# KiCad board mx-unsaver-main.kicad_pcb
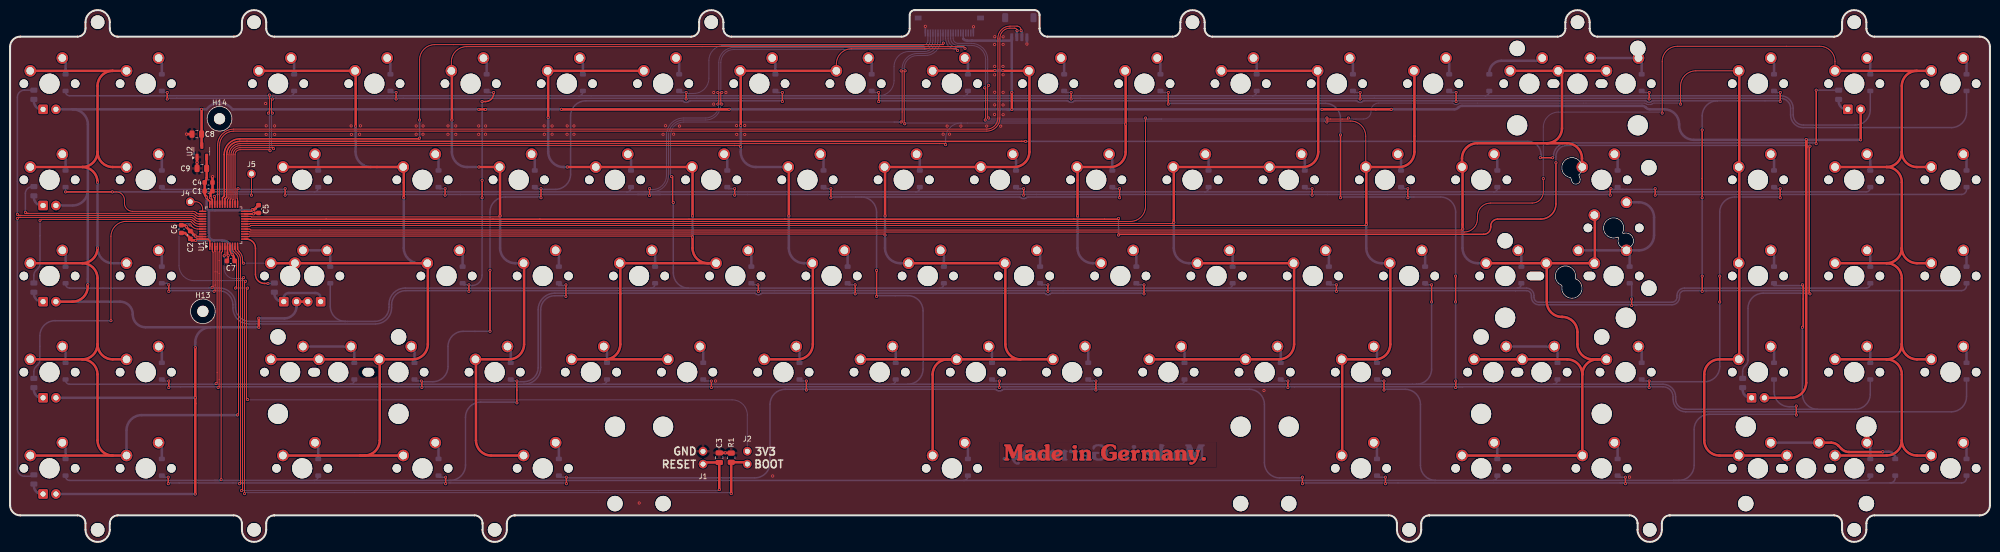
[diagram p0: board, top side]
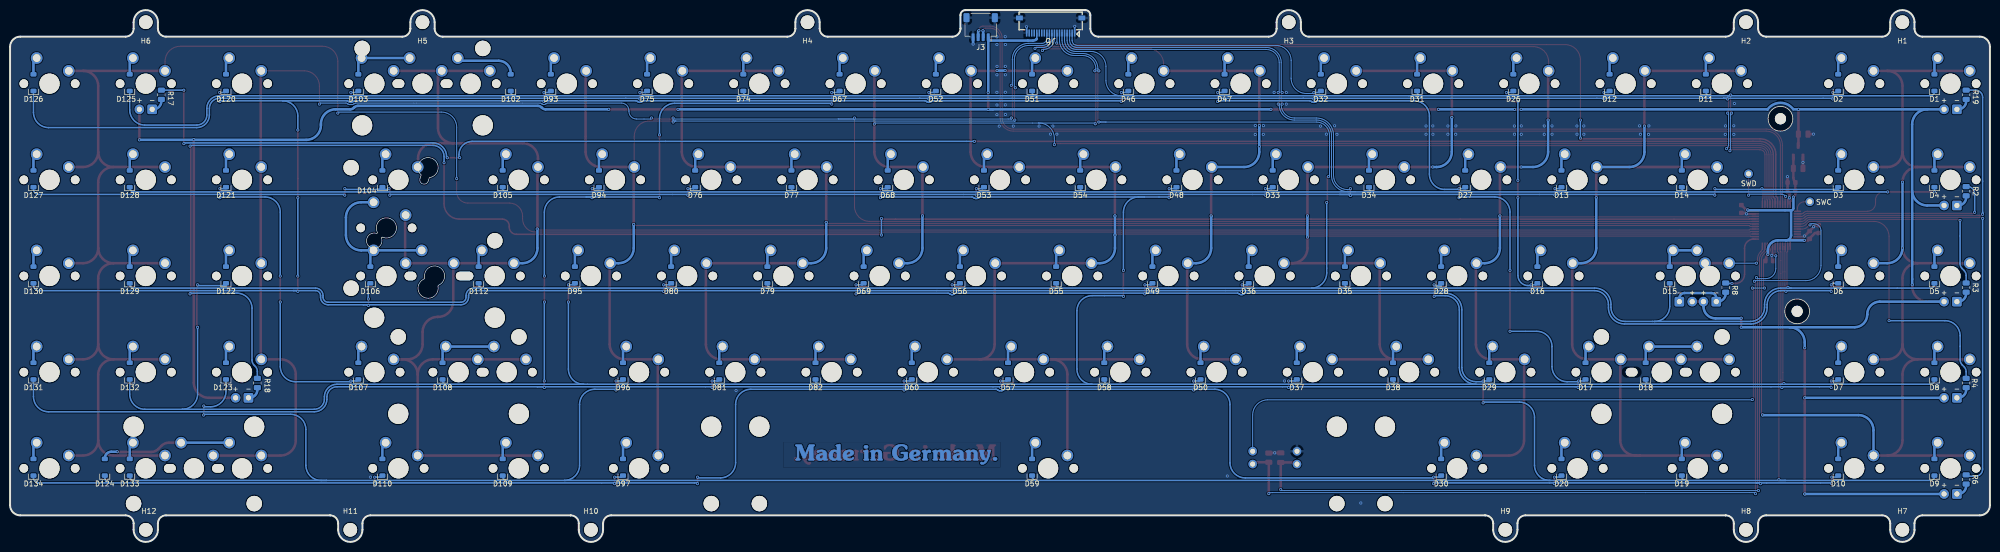
[diagram p1: board, bottom side, seen from below]

Outline 391.84 x 105.35 mm; copper layers: Top, Bottom. Coordinates in mm from the lower left corner of the outline.
Outline path: 0,98.08 0,7.27 arc(0.59,5.85) 2,5.27 13.32,5.27 arc(14.45,4.8) 14.93,3.68 14.93,2.4 arc(17.32,0) 19.73,2.4 19.73,3.67 arc(20.19,4.8) 21.33,5.27 44.28,5.27 arc(45.41,4.8) 45.88,3.68 45.88,2.4 arc(48.28,0) 50.68,2.4 50.68,3.67 arc(51.15,4.8) 52.28,5.27 52.28,5.27 91.91,5.27 arc(93.03,4.8) 93.51,3.68 93.51,2.4 arc(95.91,0) 98.31,2.4 98.31,3.67 arc(98.77,4.8) 99.91,5.27 99.91,5.27 272.88,5.27 arc(274.01,4.8) 274.48,3.68 274.48,2.4 arc(276.88,0) 279.28,2.4 279.28,3.67 arc(279.75,4.8) 280.88,5.27 280.88,5.27 320.51,5.27 arc(321.63,4.8) 322.11,3.68 322.11,2.4 arc(324.51,0) 326.91,2.4 326.91,3.67 arc(327.37,4.8) 328.51,5.27 328.51,5.27 360.99,5.27 arc(362.12,4.8) 362.59,3.67 362.59,2.4 arc(364.99,0) 367.39,2.4 367.39,3.67 arc(367.86,4.8) 369,5.27 389.84,5.27 arc(391.25,5.85) 391.84,7.27 391.84,98.08 arc(391.25,99.5) 389.84,100.08 368.99,100.08 arc(367.86,100.55) 367.39,101.67 367.39,102.95 arc(364.99,105.35) 362.59,102.95 362.59,101.68 arc(362.12,100.55) 360.99,100.08 314.22,100.08 arc(313.09,100.55) 312.62,101.68 312.62,102.93 arc(310.23,105.35) 307.82,102.95 307.82,101.68 arc(307.35,100.55) 306.22,100.08 238.02,100.08 arc(236.89,100.55) 236.42,101.68 236.42,102.93 arc(234.03,105.35) 231.62,102.95 231.62,101.68 arc(231.15,100.55) 230.02,100.08 205.34,100.08 arc(204.21,100.55) 203.74,101.68 203.74,104.34 arc(203.46,105.05) 202.74,105.35 179.04,105.35 179.04,105.35 arc(178.34,105.06) 178.04,104.35 178.04,101.68 arc(177.58,100.55) 176.45,100.08 142.77,100.08 arc(141.64,100.55) 141.17,101.68 141.17,102.93 arc(138.78,105.35) 136.37,102.95 136.37,101.68 arc(135.9,100.55) 134.77,100.08 52.28,100.08 arc(51.15,100.55) 50.68,101.68 50.68,102.95 arc(48.28,105.35) 45.88,102.95 45.88,101.68 arc(45.41,100.55) 44.29,100.08 21.33,100.08 arc(20.2,100.55) 19.73,101.67 19.73,102.95 arc(17.32,105.35) 14.93,102.95 14.93,101.68 arc(14.46,100.55) 13.33,100.08 2,100.08 arc(0.59,99.5) 0,98.08
Stack: Top 0.035mm / dielectric 1.51mm FR4 er 4.5 / Bottom 0.035mm

## Placement (name value [footprint] x y rotation side)
C1  100n  [C_0603_1608Metric]  39.28 69.5 0 top
C2  100n  [C_0603_1608Metric]  35.67 60.8 90 top
C3  1u  [C_0805_2012Metric]  140.36 16.69 90 top
C4  4.7u  [C_0603_1608Metric]  39.28 71.2 0 top
C5  100n  [C_0603_1608Metric]  49.19 65.95 270 top
C6  4.7u  [C_0603_1608Metric]  33.9 61.97 90 top
C7  100n  [C_0603_1608Metric]  43.68 55.66 180 top
C8  1u  [C_0805_2012Metric]  36.95 80.79 180 top
C9  1u  [C_0805_2012Metric]  37.95 73.99 180 top
D1  D_Small  [D_SOD-123_ShiftedSilkscreen]  10.97 90.98 90 bottom
D2  D_Small  [D_SOD-123_ShiftedSilkscreen]  30.02 90.98 90 bottom
D3  D_Small  [D_SOD-123_ShiftedSilkscreen]  30.02 71.93 90 bottom
D4  D_Small  [D_SOD-123_ShiftedSilkscreen]  10.97 71.93 90 bottom
D5  D_Small  [D_SOD-123_ShiftedSilkscreen]  10.97 52.88 90 bottom
D6  D_Small  [D_SOD-123_ShiftedSilkscreen]  30.02 52.88 90 bottom
D7  D_Small  [D_SOD-123_ShiftedSilkscreen]  30.02 33.83 90 bottom
D8  D_Small  [D_SOD-123_ShiftedSilkscreen]  10.97 33.83 90 bottom
D9  D_Small  [D_SOD-123_ShiftedSilkscreen]  10.97 14.78 90 bottom
D10  D_Small  [D_SOD-123_ShiftedSilkscreen]  30.02 14.78 90 bottom
D11  D_Small  [D_SOD-123_ShiftedSilkscreen]  56.22 90.98 90 bottom
D12  D_Small  [D_SOD-123_ShiftedSilkscreen]  75.27 90.98 90 bottom
D13  D_Small  [D_SOD-123_ShiftedSilkscreen]  84.79 71.93 90 bottom
D14  D_Small  [D_SOD-123_ShiftedSilkscreen]  60.98 71.93 90 bottom
D15  D_Small  [D_SOD-123_ShiftedSilkscreen]  63.36 52.88 90 bottom
D16  D_Small  [D_SOD-123_ShiftedSilkscreen]  89.56 52.88 90 bottom
D17  D_Small  [D_SOD-123_ShiftedSilkscreen]  80.03 33.83 90 bottom
D18  D_Small  [D_SOD-123_ShiftedSilkscreen]  68.12 33.83 90 bottom
D19  D_Small  [D_SOD-123_ShiftedSilkscreen]  60.98 14.78 90 bottom
D20  D_Small  [D_SOD-123_ShiftedSilkscreen]  84.79 14.78 90 bottom
D26  D_Small  [D_SOD-123_ShiftedSilkscreen]  94.32 90.98 90 bottom
D27  D_Small  [D_SOD-123_ShiftedSilkscreen]  103.84 71.93 90 bottom
D28  D_Small  [D_SOD-123_ShiftedSilkscreen]  108.61 52.88 90 bottom
D29  D_Small  [D_SOD-123_ShiftedSilkscreen]  99.08 33.83 90 bottom
D30  D_Small  [D_SOD-123_ShiftedSilkscreen]  108.61 14.78 90 bottom
D31  D_Small  [D_SOD-123_ShiftedSilkscreen]  113.37 90.98 90 bottom
D32  D_Small  [D_SOD-123_ShiftedSilkscreen]  132.42 90.98 90 bottom
D33  D_Small  [D_SOD-123_ShiftedSilkscreen]  141.94 71.93 90 bottom
D34  D_Small  [D_SOD-123_ShiftedSilkscreen]  122.89 71.93 90 bottom
D35  D_Small  [D_SOD-123_ShiftedSilkscreen]  127.66 52.88 90 bottom
D36  D_Small  [D_SOD-123_ShiftedSilkscreen]  146.71 52.88 90 bottom
D37  D_Small  [D_SOD-123_ShiftedSilkscreen]  137.18 33.83 90 bottom
D38  D_Small  [D_SOD-123_ShiftedSilkscreen]  118.13 33.83 90 bottom
D46  D_Small  [D_SOD-123_ShiftedSilkscreen]  170.52 90.98 90 bottom
D47  D_Small  [D_SOD-123_ShiftedSilkscreen]  151.47 90.98 90 bottom
D48  D_Small  [D_SOD-123_ShiftedSilkscreen]  160.99 71.93 90 bottom
D49  D_Small  [D_SOD-123_ShiftedSilkscreen]  165.76 52.88 90 bottom
D50  D_Small  [D_SOD-123_ShiftedSilkscreen]  156.23 33.83 90 bottom
D51  D_Small  [D_SOD-123_ShiftedSilkscreen]  189.57 90.98 90 bottom
D52  D_Small  [D_SOD-123_ShiftedSilkscreen]  208.62 90.98 90 bottom
D53  D_Small  [D_SOD-123_ShiftedSilkscreen]  199.09 71.93 90 bottom
D54  D_Small  [D_SOD-123_ShiftedSilkscreen]  180.04 71.93 90 bottom
D55  D_Small  [D_SOD-123_ShiftedSilkscreen]  184.81 52.88 90 bottom
D56  D_Small  [D_SOD-123_ShiftedSilkscreen]  203.86 52.88 90 bottom
D57  D_Small  [D_SOD-123_ShiftedSilkscreen]  194.33 33.83 90 bottom
D58  D_Small  [D_SOD-123_ShiftedSilkscreen]  175.28 33.83 90 bottom
D59  D_Small  [D_SOD-123_ShiftedSilkscreen]  189.57 14.78 90 bottom
D60  D_Small  [D_SOD-123_ShiftedSilkscreen]  213.38 33.83 90 bottom
D67  D_Small  [D_SOD-123_ShiftedSilkscreen]  227.67 90.98 90 bottom
D68  D_Small  [D_SOD-123_ShiftedSilkscreen]  218.14 71.93 90 bottom
D69  D_Small  [D_SOD-123_ShiftedSilkscreen]  222.91 52.88 90 bottom
D71  LED_LAYER2  [LED_MX_3mm_Offset_Flipped]  7.8 71.73 180 bottom
D72  LED_LAYER3  [LED_MX_3mm_Offset_Flipped]  7.8 52.68 180 bottom
D73  LED_LAYER4  [LED_MX_3mm_Offset_Flipped]  7.8 33.63 180 bottom
D74  D_Small  [D_SOD-123_ShiftedSilkscreen]  246.72 90.98 90 bottom
D75  D_Small  [D_SOD-123_ShiftedSilkscreen]  265.77 90.98 90 bottom
D76  D_Small  [D_SOD-123_ShiftedSilkscreen]  256.24 71.93 90 bottom
D77  D_Small  [D_SOD-123_ShiftedSilkscreen]  237.19 71.93 90 bottom
D78  LED_CAPS2  [LED_MX_3mm_Offset_Flipped]  55.42 52.68 180 bottom
D79  D_Small  [D_SOD-123_ShiftedSilkscreen]  241.96 52.88 90 bottom
D80  D_Small  [D_SOD-123_ShiftedSilkscreen]  261.01 52.88 90 bottom
D81  D_Small  [D_SOD-123_ShiftedSilkscreen]  251.48 33.83 90 bottom
D82  D_Small  [D_SOD-123_ShiftedSilkscreen]  232.43 33.83 90 bottom
D86  LED_CAPS1  [LED_MX_3mm_Offset]  60.19 52.68 0 top
D87  LED_LAYER5  [LED_MX_3mm_Offset_Flipped]  7.8 14.58 180 bottom
D93  D_Small  [D_SOD-123_ShiftedSilkscreen]  284.82 90.98 90 bottom
D94  D_Small  [D_SOD-123_ShiftedSilkscreen]  275.29 71.93 90 bottom
D95  D_Small  [D_SOD-123_ShiftedSilkscreen]  280.06 52.88 90 bottom
D96  D_Small  [D_SOD-123_ShiftedSilkscreen]  270.53 33.83 90 bottom
D97  D_Small  [D_SOD-123_ShiftedSilkscreen]  270.53 14.78 90 bottom
D102  D_Small  [D_SOD-123_ShiftedSilkscreen]  292.76 90.98 90 bottom
D103  D_Small  [D_SOD-123_ShiftedSilkscreen]  322.92 90.98 90 bottom
D104  D_Small  [D_SOD-123_ShiftedSilkscreen]  318.16 71.93 90 bottom
D105  D_Small  [D_SOD-123_ShiftedSilkscreen]  294.34 71.93 90 bottom
D106  D_Small  [D_SOD-123_ShiftedSilkscreen]  320.54 52.88 90 bottom
D107  D_Small  [D_SOD-123_ShiftedSilkscreen]  322.92 33.83 90 bottom
D108  D_Small  [D_SOD-123_ShiftedSilkscreen]  306.25 33.83 90 bottom
D109  D_Small  [D_SOD-123_ShiftedSilkscreen]  294.34 14.78 90 bottom
D110  D_Small  [D_SOD-123_ShiftedSilkscreen]  318.16 14.78 90 bottom
D112  D_Small  [D_SOD-123_ShiftedSilkscreen]  299.11 52.88 90 bottom
D120  D_Small  [D_SOD-123_ShiftedSilkscreen]  349.11 90.98 90 bottom
D121  D_Small  [D_SOD-123_ShiftedSilkscreen]  349.11 71.93 90 bottom
D122  D_Small  [D_SOD-123_ShiftedSilkscreen]  349.11 52.88 90 bottom
D123  D_Small  [D_SOD-123_ShiftedSilkscreen]  349.11 33.83 90 bottom
D124  D_Small  [D_SOD-123_ShiftedSilkscreen]  373.1 14.78 90 bottom
D125  D_Small  [D_SOD-123_ShiftedSilkscreen]  368.16 90.98 90 bottom
D126  D_Small  [D_SOD-123_ShiftedSilkscreen]  387.21 90.98 90 bottom
D127  D_Small  [D_SOD-123_ShiftedSilkscreen]  387.21 71.93 90 bottom
D128  D_Small  [D_SOD-123_ShiftedSilkscreen]  368.16 71.93 90 bottom
D129  D_Small  [D_SOD-123_ShiftedSilkscreen]  368.16 52.88 90 bottom
D130  D_Small  [D_SOD-123_ShiftedSilkscreen]  387.21 52.88 90 bottom
D131  D_Small  [D_SOD-123_ShiftedSilkscreen]  387.21 33.83 90 bottom
D132  D_Small  [D_SOD-123_ShiftedSilkscreen]  368.16 33.83 90 bottom
D133  D_Small  [D_SOD-123_ShiftedSilkscreen]  368.16 14.78 90 bottom
D134  D_Small  [D_SOD-123_ShiftedSilkscreen]  387.21 14.78 90 bottom
D135  LED_NUM  [LED_MX_3mm_Offset_Flipped]  345.94 33.63 180 bottom
D136  LED_SCLK  [LED_MX_3mm_Offset_Flipped]  364.99 90.78 180 bottom
D137  LED_LAYER1  [LED_MX_3mm_Offset_Flipped]  7.8 90.78 180 bottom
G1  -  [MadeInGermany]  196.69 19.43 0 top
G2  -  [MadeInGermany]  236.47 19.43 180 bottom
H1  MountingHole  [MountingHole_2.7mm_M2.5]  17.32 102.95 0 bottom
H2  MountingHole  [MountingHole_2.7mm_M2.5]  48.28 102.95 0 bottom
H3  MountingHole  [MountingHole_2.7mm_M2.5]  138.77 102.95 0 bottom
H4  MountingHole  [MountingHole_2.7mm_M2.5]  234.02 102.95 0 bottom
H5  MountingHole  [MountingHole_2.7mm_M2.5]  310.22 102.95 0 bottom
H6  MountingHole  [MountingHole_2.7mm_M2.5]  364.99 102.95 0 bottom
H7  MountingHole  [MountingHole_2.7mm_M2.5]  17.32 2.4 180 bottom
H8  MountingHole  [MountingHole_2.7mm_M2.5]  48.28 2.4 180 bottom
H9  MountingHole  [MountingHole_2.7mm_M2.5]  95.91 2.4 180 bottom
H10  MountingHole  [MountingHole_2.7mm_M2.5]  276.88 2.4 180 bottom
H11  MountingHole  [MountingHole_2.7mm_M2.5]  324.51 2.4 180 bottom
H12  MountingHole  [MountingHole_2.7mm_M2.5]  364.99 2.4 180 bottom
H13  MountingHole  [MountingHole_2.2mm_M2_Standoff]  38.15 45.68 0 top
H14  MountingHole  [MountingHole_2.2mm_M2_Standoff]  41.45 83.83 0 top
H15  MountingHole  [HOLE_BackSpace_Slots]  310.22 90.78 0 top
H16  MountingHole  [HOLE_BackSpace_Slots]  355.46 14.58 0 top
H17  MountingHole  [HOLE_LShift_Slots]  64.95 33.63 0 top
H18  MountingHole  [HOLE_RShift_Slots]  303.07 33.63 0 top
H19  MountingHole  [HOLE_Enter_Slots]  307.84 52.68 0 top
J1  Conn_01x02  [PinHeader_1x02_P2.54mm_BOOT]  137.14 15.41 180 top
J2  Conn_01x02  [PinHeader_1x02_P2.54mm_BOOT]  145.91 17.96 0 top
J3  Conn_01x04_MountingPin  [JST_SH_SM04B-SRSS-TB_1x04-1MP_P1.00mm_Horizontal]  199.74 101.98 0 bottom
J4  Conn_01x01  [PinHeader_1x01_P2.54mm]  35.65 67.39 0 top
J5  Conn_01x01  [PinHeader_1x01_P2.54mm]  47.77 72.92 0 top
J6  Conn_01x20_MountingPin  [CONN-SMD_20P-P0.50_10051922-2010ELF]  185.89 102.45 0 bottom
MX1  MX_SW_solder  [SW_MX_1u_PCBMount]  7.8 90.78 0 top
MX2  MX_SW_solder  [SW_MX_1u_PCBMount]  26.85 90.78 0 top
MX3  MX_SW_solder  [SW_MX_1u_PCBMount]  26.85 71.73 0 top
MX4  MX_SW_solder  [SW_MX_1u_PCBMount]  7.8 71.73 0 top
MX5  MX_SW_solder  [SW_MX_1u_PCBMount]  7.8 52.68 0 top
MX6  MX_SW_solder  [SW_MX_1u_PCBMount]  26.85 52.68 0 top
MX7  MX_SW_solder  [SW_MX_1u_PCBMount]  26.85 33.63 0 top
MX8  MX_SW_solder  [SW_MX_1u_PCBMount]  7.8 33.63 0 top
MX9  MX_SW_solder  [SW_MX_1u_PCBMount]  7.8 14.58 0 top
MX10  MX_SW_solder  [SW_MX_1u_PCBMount]  26.85 14.58 0 top
MX11  MX_SW_solder  [SW_MX_1u_PCBMount]  53.04 90.78 0 top
MX12  MX_SW_solder  [SW_MX_1u_PCBMount]  72.09 90.78 0 top
MX13  MX_SW_solder  [SW_MX_1u_PCBMount]  81.62 71.73 0 top
MX14  MX_SW_solder  [SW_MX_1u_PCBMount]  57.81 71.73 0 top
MX15  MX_SW_solder  [SW_MX_1u_PCBMount_NoRight]  55.42 52.68 0 top
MX16  MX_SW_solder  [SW_MX_1u_PCBMount]  86.38 52.68 0 top
MX17  MX_SW_solder  [SW_MX_1u_PCBMount_NoLeft]  76.86 33.63 0 top
MX18  MX_SW_solder  [SW_MX_1u_PCBMount_NoRight]  55.42 33.63 0 top
MX19  MX_SW_solder  [SW_MX_1u_PCBMount]  57.81 14.58 0 top
MX20  MX_SW_solder  [SW_MX_1u_PCBMount]  81.62 14.58 0 top
MX26  MX_SW_solder  [SW_MX_1u_PCBMount]  91.14 90.78 0 top
MX27  MX_SW_solder  [SW_MX_1u_PCBMount]  100.67 71.73 0 top
MX28  MX_SW_solder  [SW_MX_1u_PCBMount]  105.43 52.68 0 top
MX29  MX_SW_solder  [SW_MX_1u_PCBMount]  95.91 33.63 0 top
MX30  MX_SW_solder  [SW_MX_1u_PCBMount]  105.43 14.58 0 top
MX31  MX_SW_solder  [SW_MX_1u_PCBMount]  110.19 90.78 0 top
MX32  MX_SW_solder  [SW_MX_1u_PCBMount]  129.24 90.78 0 top
MX33  MX_SW_solder  [SW_MX_1u_PCBMount]  138.77 71.73 0 top
MX34  MX_SW_solder  [SW_MX_1u_PCBMount]  119.72 71.73 0 top
MX35  MX_SW_solder  [SW_MX_1u_PCBMount]  124.48 52.68 0 top
MX36  MX_SW_solder  [SW_MX_1u_PCBMount]  143.53 52.68 0 top
MX37  MX_SW_solder  [SW_MX_1u_PCBMount]  134.01 33.63 0 top
MX38  MX_SW_solder  [SW_MX_1u_PCBMount]  114.96 33.63 0 top
MX46  MX_SW_solder  [SW_MX_1u_PCBMount]  167.34 90.78 0 top
MX47  MX_SW_solder  [SW_MX_1u_PCBMount]  148.29 90.78 0 top
MX48  MX_SW_solder  [SW_MX_1u_PCBMount]  157.82 71.73 0 top
MX49  MX_SW_solder  [SW_MX_1u_PCBMount]  162.58 52.68 0 top
MX50  MX_SW_solder  [SW_MX_1u_PCBMount]  153.06 33.63 0 top
MX51  MX_SW_solder  [SW_MX_1u_PCBMount]  186.39 90.78 0 top
MX52  MX_SW_solder  [SW_MX_1u_PCBMount]  205.44 90.78 0 top
MX53  MX_SW_solder  [SW_MX_1u_PCBMount]  195.92 71.73 0 top
MX54  MX_SW_solder  [SW_MX_1u_PCBMount]  176.87 71.73 0 top
MX55  MX_SW_solder  [SW_MX_1u_PCBMount]  181.63 52.68 0 top
MX56  MX_SW_solder  [SW_MX_1u_PCBMount]  200.68 52.68 0 top
MX57  MX_SW_solder  [SW_MX_1u_PCBMount]  191.16 33.63 0 top
MX58  MX_SW_solder  [SW_MX_1u_PCBMount]  172.11 33.63 0 top
MX59  MX_SW_solder  [SW_MX_1u_PCBMount]  186.39 14.58 0 top
MX60  MX_SW_solder  [SW_MX_1u_PCBMount]  210.21 33.63 0 top
MX67  MX_SW_solder  [SW_MX_1u_PCBMount]  224.49 90.78 0 top
MX68  MX_SW_solder  [SW_MX_1u_PCBMount]  214.97 71.73 0 top
MX69  MX_SW_solder  [SW_MX_1u_PCBMount]  219.73 52.68 0 top
MX71  MX_SW_solder  [SW_MX_1u_PCBMount]  243.54 90.78 0 top
MX72  MX_SW_solder  [SW_MX_1u_PCBMount]  262.59 90.78 0 top
MX73  MX_SW_solder  [SW_MX_1u_PCBMount]  253.07 71.73 0 top
MX74  MX_SW_solder  [SW_MX_1u_PCBMount]  234.02 71.73 0 top
MX75  MX_SW_solder  [SW_MX_1u_PCBMount]  238.78 52.68 0 top
MX76  MX_SW_solder  [SW_MX_1u_PCBMount]  257.83 52.68 0 top
MX77  MX_SW_solder  [SW_MX_1u_PCBMount]  248.31 33.63 0 top
MX78  MX_SW_solder  [SW_MX_1u_PCBMount]  229.26 33.63 0 top
MX85  MX_SW_solder  [SW_MX_1u_PCBMount]  281.64 90.78 0 top
MX86  MX_SW_solder  [SW_MX_1u_PCBMount]  272.12 71.73 0 top
MX87  MX_SW_solder  [SW_MX_1u_PCBMount]  276.88 52.68 0 top
MX88  MX_SW_solder  [SW_MX_1u_PCBMount]  267.36 33.63 0 top
MX89  MX_SW_solder  [SW_MX_1u_PCBMount]  267.36 14.58 0 top
MX91  MX_SW_solder  [SW_MX_1u_PCBMount_NoRight]  300.69 90.78 0 top
MX92  MX_SW_solder  [SW_MX_1u_PCBMount_NoLeft]  319.74 90.78 0 top
MX93  MX_SW_solder  [SW_MX_1u_PCBMount_NoLeft]  314.98 71.73 0 top
MX94  MX_SW_solder  [SW_MX_1u_PCBMount]  291.17 71.73 0 top
MX95  MX_SW_solder  [SW_MX_1u_PCBMount_NoLeft]  317.36 52.68 0 top
MX96  MX_SW_solder  [SW_MX_1u_PCBMount]  319.74 33.63 0 top
MX97  MX_SW_solder  [SW_MX_1u_PCBMount_NoRight]  293.55 33.63 0 top
MX98  MX_SW_solder  [SW_MX_1u_PCBMount]  291.17 14.58 0 top
MX99  MX_SW_solder  [SW_MX_1u_PCBMount]  314.98 14.58 0 top
MX100  MX_SW_solder  [SW_MX_1u_PCBMount_NoRight]  295.93 52.68 0 top
MX106  MX_SW_solder  [SW_MX_1u_PCBMount]  345.94 90.78 0 top
MX107  MX_SW_solder  [SW_MX_1u_PCBMount]  345.94 71.73 0 top
MX108  MX_SW_solder  [SW_MX_1u_PCBMount]  345.94 52.68 0 top
MX109  MX_SW_solder  [SW_MX_1u_PCBMount]  345.94 33.63 0 top
MX110  MX_SW_solder  [SW_MX_1u_PCBMount_NoRight]  345.94 14.58 0 top
MX111  MX_SW_solder  [SW_MX_1u_PCBMount]  364.99 90.78 0 top
MX112  MX_SW_solder  [SW_MX_1u_PCBMount]  384.04 90.78 0 top
MX113  MX_SW_solder  [SW_MX_1u_PCBMount]  384.04 71.73 0 top
MX114  MX_SW_solder  [SW_MX_1u_PCBMount]  364.99 71.73 0 top
MX115  MX_SW_solder  [SW_MX_1u_PCBMount]  364.99 52.68 0 top
MX116  MX_SW_solder  [SW_MX_1u_PCBMount]  384.04 52.68 0 top
MX117  MX_SW_solder  [SW_MX_1u_PCBMount]  384.04 33.63 0 top
MX118  MX_SW_solder  [SW_MX_1u_PCBMount]  364.99 33.63 0 top
MX119  MX_SW_solder  [SW_MX_1u_PCBMount_NoLeft]  364.99 14.58 0 top
MX120  MX_SW_solder  [SW_MX_1u_PCBMount]  384.04 14.58 0 top
MX121  MX_SW_solder  [SW_MX_1u_3pin]  64.95 33.63 0 top
MX122  MX_SW_solder  [SW_MX_1u_PCBMount_NoLeft]  60.19 52.68 0 top
MX123  MX_SW_solder  [SW_MX_1u_3pin]  310.22 90.78 0 top
MX124  MX_SW_solder  [SW_MX_1u_NoHoles]  307.84 52.68 0 top
MX125  MX_SW_solder  [SW_MX_1u_PCBMount_NoMiddle]  317.36 62.2 0 top
MX126  MX_SW_solder  [SW_MX_1u_PCBMount_NoLeft]  303.07 33.63 0 top
MX127  MX_SW_solder  [SW_MX_1u_3pin]  355.46 14.58 0 top
R1  10k  [R_0805_2012Metric]  142.72 16.69 90 top
R2  1k  [R_0805_2012Metric]  4.7 69.48 90 bottom
R3  1k  [R_0805_2012Metric]  4.7 50.38 90 bottom
R4  1k  [R_0805_2012Metric]  4.7 31.48 90 bottom
R6  1k  [R_0805_2012Metric]  4.7 12.38 90 bottom
R8  1k  [R_0805_2012Metric]  52.3 50.38 90 bottom
R17  1k  [R_0805_2012Metric]  361.9 88.58 90 bottom
R18  1k  [R_0805_2012Metric]  342.9 31.48 90 bottom
R19  1k  [R_0805_2012Metric]  4.7 88.58 90 bottom
S1  MX_stab  [STAB_MX_2u_FixedDistance_Enter_Modified]  307.84 52.68 0 top
S2  MX_stab  [STAB_MX_2u_FixedDistance]  355.46 14.58 180 top
S3  MX_stab  [STAB_MX_2u_FixedDistance]  64.95 33.63 0 top
S4  MX_stab  [STAB_MX_2u_FixedDistance]  310.22 90.78 0 top
S5  MX_stab  [STAB_MX_2u_FixedDistance]  303.07 33.63 0 top
S6  MX_stab  [STAB_MX_2u_FixedDistance_ISO_Modified]  317.36 62.2 270 top
S7  MX_stab  [STAB_MX_10u]  186.39 14.58 180 top
U1  STM32F072CBTx  [LQFP-48_7x7mm_P0.5mm]  42.27 62.74 90 top
U2  XC6206PxxxMR  [SOT-23-3]  37.95 77.39 90 top

## Library data of the parts
C1-C3 C5 C7-C9 = -: ki_fp_filters: C_*
C4 C6 = -: Description: Unpolarized capacitor, small symbol; ki_fp_filters: C_*
D1-D20 D26-D38 D46-D60 D67-D69 D74-D77 D79-D82 D93-D97 D102-D110 D112 D120-D134 = -: Description: Diode, small symbol; Sim.Device: D; Sim.Pins: 1=K 2=A; ki_fp_filters: TO-???* *_Diode_* *SingleDiode* D_*
D71-D73 D78 D86 D87 D135-D137 = -: Description: Light emitting diode, small symbol; ki_fp_filters: LED* LED_SMD:* LED_THT:*
H1-H19 = -: Description: Mounting Hole without connection; ki_fp_filters: MountingHole*
J1 J2 = -: Description: Generic connector, single row, 01x02, script generated (kicad-library-utils/schlib/autogen/connector/); ki_fp_filters: Connector*:*_1x??_*
J3 = -: Description: Generic connectable mounting pin connector, single row, 01x04, script generated (kicad-library-utils/schlib/autogen/connector/); ki_fp_filters: Connector*:*_1x??-1MP*
J4 J5 = -: Description: Generic connector, single row, 01x01, script generated (kicad-library-utils/schlib/autogen/connector/); ki_fp_filters: Connector*:*_1x??_*
J6 = -: Description: Generic connectable mounting pin connector, single row, 01x20, script generated (kicad-library-utils/schlib/autogen/connector/); ki_fp_filters: Connector*:*_1x??-1MP*
MX1-MX20 MX26-MX38 MX46-MX60 MX67-MX69 MX71-MX78 MX85-MX89 MX91-MX100 MX106-MX127 = -: Description: Push button switch, normally open, two pins, 45° tilted
R1-R4 R6 R8 R17-R19 = -: Description: Resistor, small symbol; ki_fp_filters: R_*
S1-S7 = -: Description: Cherry MX-style stabilizer
U1 = -: Datasheet: https://www.st.com/resource/en/datasheet/stm32f072cb.pdf; Description: STMicroelectronics Arm Cortex-M0 MCU, 128KB flash, 16KB RAM, 48 MHz, 2.0-3.6V, 37 GPIO, LQFP48; ki_fp_filters: LQFP*7x7mm*P0.5mm*
U2 = -: Datasheet: https://www.torexsemi.com/file/xc6206/XC6206.pdf; ki_fp_filters: SOT?23?3*

## Footprints (pads in the part's own frame, mm; a bottom-side part is the same pattern mirrored in y, then rotated)
C_0603_1608Metric
  rrect 0.9x0.95 smd: 1(-0.775,0) 2(0.775,0)
C_0805_2012Metric
  rrect 1x1.45 smd: 1(-0.95,0) 2(0.95,0)
CONN-SMD_20P-P0.50_10051922-2010ELF
  rect 0.3x1.4 smd: 1(-4.75,1.638) 2(-4.25,1.638) 3(-3.75,1.638) 4(-3.25,1.638) 5(-2.75,1.638) 6(-2.25,1.638) 7(-1.75,1.638) 8(-1.25,1.638) 9(-0.75,1.638) 10(-0.25,1.638) 11(0.25,1.638) 12(0.75,1.638) 13(1.25,1.638) 14(1.75,1.638) 15(2.25,1.638) 16(2.75,1.638) 17(3.25,1.638) 18(3.75,1.638) 19(4.25,1.638) 20(4.75,1.638)
  rect 1.35x0.95 smd: MP(-6.175,-1.338) MP(6.175,-1.338)
D_SOD-123_ShiftedSilkscreen
  rrect 0.9x1.2 smd: 1(-1.65,0) 2(1.65,0)
HOLE_BackSpace_Slots
  oval 2.337x1.702 hole 2.337x1.702 unplated: (-4.763,0) (4.763,0)
HOLE_Enter_Slots
  oval 3.448x1.702 hole 3.448x1.702 unplated: (-5.953,0)
  oval 2.337x1.702 hole 2.337x1.702 unplated: (4.762,0)
HOLE_LShift_Slots
  oval 2.337x1.702 hole 2.337x1.702 unplated: (-4.763,0)
  oval 2.337x1.702 hole 3.448x1.702 unplated: (5.953,0)
HOLE_RShift_Slots
  oval 2.337x1.702 hole 2.337x1.702 unplated: (-4.763,0)
JST_SH_SM04B-SRSS-TB_1x04-1MP_P1.00mm_Horizontal
  rrect 0.6x1.55 smd: 1(-1.5,2) 2(-0.5,2) 3(0.5,2) 4(1.5,2)
  rrect 1.2x1.8 smd: MP(-2.8,-1.875) MP(2.8,-1.875)
LED_MX_3mm_Offset
  rrect 1.905x1.905 hole 1.04: 1(1.27,-5.08)
  round 1.905 hole 1.04: 2(-1.27,-5.08)
LED_MX_3mm_Offset_Flipped
  rrect 1.905x1.905 hole 1.04: 1(1.27,-5.08)
  round 1.905 hole 1.04: 2(-1.27,-5.08)
LQFP-48_7x7mm_P0.5mm
  rrect 1.475x0.3 smd: 1(-4.162,2.75) 2(-4.162,2.25) 3(-4.162,1.75) 4(-4.162,1.25) 5(-4.162,0.75) 6(-4.162,0.25) 7(-4.162,-0.25) 8(-4.162,-0.75) 9(-4.162,-1.25) 10(-4.162,-1.75) 11(-4.162,-2.25) 12(-4.162,-2.75) 25(4.162,-2.75) 26(4.162,-2.25) 27(4.162,-1.75) 28(4.162,-1.25) 29(4.162,-0.75) 30(4.162,-0.25) 31(4.162,0.25) 32(4.162,0.75) 33(4.162,1.25) 34(4.162,1.75) 35(4.162,2.25) 36(4.162,2.75)
  rrect 0.3x1.475 smd: 13(-2.75,-4.162) 14(-2.25,-4.162) 15(-1.75,-4.162) 16(-1.25,-4.162) 17(-0.75,-4.162) 18(-0.25,-4.162) 19(0.25,-4.162) 20(0.75,-4.162) 21(1.25,-4.162) 22(1.75,-4.162) 23(2.25,-4.162) 24(2.75,-4.162) 37(2.75,4.162) 38(2.25,4.162) 39(1.75,4.162) 40(1.25,4.162) 41(0.75,4.162) 42(0.25,4.162) 43(-0.25,4.162) 44(-0.75,4.162) 45(-1.25,4.162) 46(-1.75,4.162) 47(-2.25,4.162) 48(-2.75,4.162)
MountingHole_2.2mm_M2_Standoff
  round 2.2 hole 2.2 unplated: (0,0)
MountingHole_2.7mm_M2.5
  round 2.7 hole 2.7 unplated: (0,0)
PinHeader_1x01_P2.54mm
  round 1.7 hole 1: 1(0,0)
PinHeader_1x02_P2.54mm_BOOT
  round 1.7 hole 1: 1(0,0)
  oval 1.7x1.7 hole 1: 2(0,-2.54)
R_0805_2012Metric
  rrect 1.025x1.4 smd: 1(-0.912,0) 2(0.912,0)
SOT-23-3
  rrect 1.325x0.6 smd: 1(-1.137,0.95) 2(-1.137,-0.95) 3(1.137,0)
STAB_MX_2u_FixedDistance
  round 3.048 hole 3.048 unplated: (-11.938,6.985) (11.938,6.985)
  round 3.988 hole 3.988 unplated: (-11.938,-8.255) (11.938,-8.255)
STAB_MX_2u_FixedDistance_Enter_Modified
  round 3.048 hole 3.048 unplated: (-11.938,6.985)
  round 3.988 hole 3.988 unplated: (-11.938,-8.255) (11.938,-8.255)
STAB_MX_2u_FixedDistance_ISO_Modified
  round 3.048 hole 3.048 unplated: (-11.938,6.985) (11.938,6.985)
STAB_MX_10u
  round 3.048 hole 3.048 unplated: (-66.675,6.985) (-57.15,6.985) (57.15,6.985) (66.675,6.985)